# KiCad board AnalogFNN.kicad_pcb (continued)
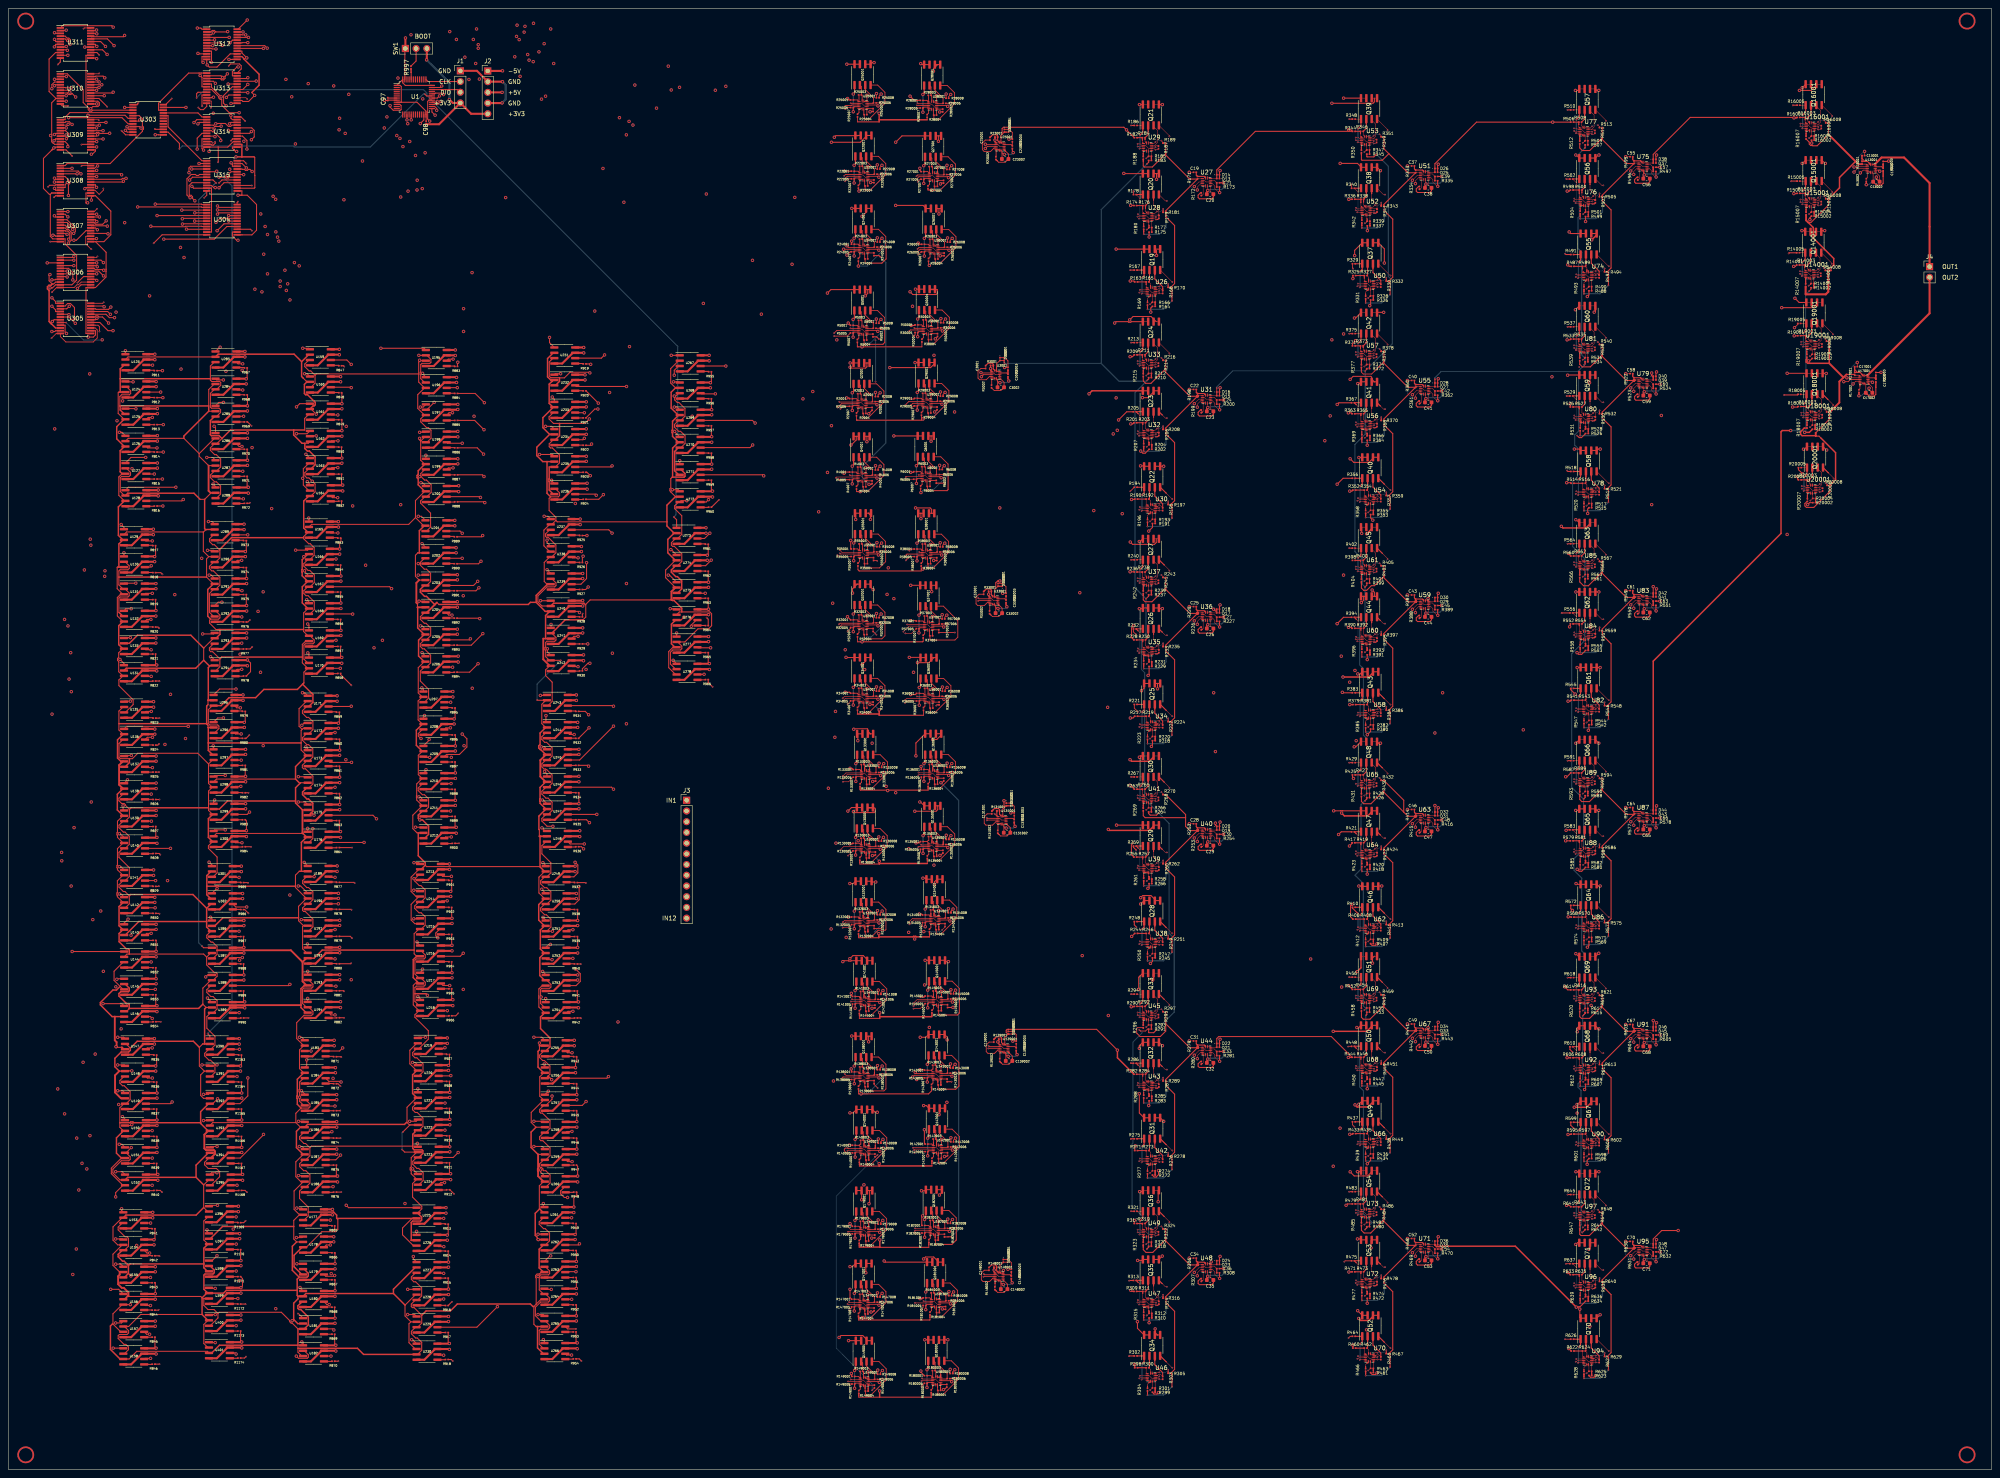
[diagram p0: board, top side]
## Routing (per net, layer and track width the routed paths; a pad name or vN(x,y) marks a point on that pad's centre or on a via; arc(x,y) is an arc through that point) (continued)
Net-(U81D--): length 4.2
  Top w0.1: 377.08,266.9 377.08,267.01 v2(376.7,267.39) ; v2(375.3,267.09) 374.9,266.69 U81.12 374.2,266.84 U81.13
  Top w0.25: 377.08,266.9 R540.1
  Bottom w0.1: v2(375.3,267.09) 375.6,267.39 v2(376.7,267.39)
Net-(U82A--): length 3.5
  Top w0.1: 373.31,181.04 373.08,181.27 373.08,182.37
  Top w0.25: R541.2 R543.1 ; U82.1 373.31,181.04
Net-(U82B--): length 3.2
  Top w0.1: R547.1 373.4,178.55 U82.6 373.95,179.4 U82.5
  Top w0.25: 373.4,178.07 R547.1
Net-(U82C--): length 3.6
  Top w0.1: 375.22,179.37 R544.1
  Top w0.25: 375.22,176.9 375.22,177.15 ; 375.22,176.9 R542.2 375.22,176.9 ; 375.22,177.15 R544.1 375.22,177.15 ; U82.8 375.25,179.3 375.22,179.27
Net-(U82D--): length 5.5
  Top w0.1: v2(376.2,181.35) 375.6,181.35 U82.12 ; v2(378.3,181.95) 378.3,181.17 ; 374.95,181 374.65,181 U82.13
  Top w0.25: 374.95,181 U82.12 ; R548.1 378.28,181.54 378.3,181.56
  Bottom w0.1: v2(378.3,181.95) 377.7,181.35 v2(376.2,181.35)
Net-(U83B-+): length 8.7
  Top w0.1: v1(385.2,204.25) 385.2,204.94 386.01,205.75 U83.4 ; C61.2 v1(383.3,208.45)
  Bottom w0.1: v1(385.2,204.25) 384.38,204.25 383.3,205.33 v1(383.3,208.45)
Net-(U83B--): length 3.9
  Top w0.1: 386.28,202.93 386.59,203.24 386.59,205.2 U83.5 387.04,205.35 U83.6
  Top w0.25: 386.51,205.28 U83.5 ; 386.43,203.08 386.29,203.08 R550.1
Net-(U83C--): length 8.5
  Top w0.1: C62.1 388.34,203.93 U83.8
  Top w0.25: 388.34,204.98 U83.8 ; R550.2 385.94,203.57 385.4,203.02 385.4,202.45 385.7,202.15 388.6,202.15 389.01,202.56 389.01,202.91
Net-(U83D-+): length 3.3
  Top w0.1: C63.2 389.22,206.55 U83.11
  Top w0.25: 389.82,205.03 R551.1 389.82,205.03 ; 389.82,205.03 389.82,205.45 ; 389.82,205.45 C63.2 389.82,205.45
Net-(U84A--): length 3.9
  Top w0.1: U84.1 372.28,198.92 R554.1
  Top w0.25: 372.28,200.11 R554.1 R552.2
Net-(U84B--): length 3.5
  Top w0.1: R558.1 372.5,197 ; U84.6 372.7,196.9 U84.5
  Top w0.25: 373,196.9 372.5,196.9 ; 372.5,196.28 R558.1
Net-(U84C--): length 3.6
  Top w0.1: R555.1 374.42,197.02
  Top w0.25: U84.8 374.42,197.02 ; 374.42,194.8 R555.1 374.42,194.8 ; 374.42,194.8 374.42,194.53 ; 374.42,194.52 R553.2 374.42,194.53
Net-(U84D--): length 5.1
  Top w0.1: v2(375.6,199.15) 375.1,198.65 374.77,198.65 ; 377.1,198.97 v2(377.1,199.75) ; U84.13 374.3,198.8 U84.12
  Top w0.25: R559.1 377.08,199.34 377.1,199.36 ; 374.77,198.65 U84.12
  Bottom w0.1: v2(375.6,199.15) 376.5,199.15 v2(377.1,199.75)
Net-(U85A--): length 3
  Top w0.1: R562.1 372.18,215.52 U85.1
  Top w0.25: R560.2 R562.1 372.18,216.46
Net-(U85B--): length 3
  Top w0.1: U85.5 373.05,213.65 U85.6
  Top w0.25: 372.4,212.88 372.4,213.6 372.42,213.62 372.45,213.63 U85.5 ; 372.4,212.88 R566.1 372.4,212.88
Net-(U85C--): length 2.9
  Top w0.1: R563.1 374.32,213.62
  Top w0.25: U85.8 374.32,213.62 ; 374.32,211.75 R563.1 374.32,211.75 ; 374.32,211.75 R561.2
Net-(U85D--): length 4.2
  Top w0.1: v2(375.3,215.65) 374.9,215.25 U85.12 374.2,215.4 U85.13 ; 377.08,215.46 377.08,215.57 v2(376.7,215.95)
  Top w0.25: 377.08,215.46 R567.1
  Bottom w0.1: v2(376.7,215.95) 375.6,215.95 v2(375.3,215.65)
Net-(U86A--): length 3.5
  Top w0.1: 373.31,129.6 373.08,129.83 373.08,130.93
  Top w0.25: U86.1 373.31,129.6 ; R568.2 R570.1
Net-(U86B--): length 3.2
  Top w0.1: R574.1 373.4,127.11 U86.6 373.95,127.96 U86.5
  Top w0.25: 373.4,126.63 R574.1
Net-(U86C--): length 3.4
  Top w0.1: R571.1 375.22,127.93
  Top w0.25: 375.22,127.83 375.25,127.86 U86.8 ; 375.22,125.71 R571.1 375.22,125.71 ; 375.22,125.71 R569.2
Net-(U86D--): length 5.5
  Top w0.1: U86.12 375.6,129.91 v2(376.2,129.91) ; v2(378.3,130.51) 378.3,129.73 ; U86.13 374.65,129.56 374.95,129.56
  Top w0.25: 378.3,130.12 378.28,130.1 R575.1 ; 374.95,129.56 U86.12
  Bottom w0.1: v2(376.2,129.91) 377.7,129.91 v2(378.3,130.51)
Net-(U87B-+): length 8.7
  Top w0.1: C64.2 v1(383.3,157.01) ; v1(385.2,152.81) 385.2,153.49 386.01,154.31 U87.4
  Bottom w0.1: v1(385.2,152.81) 384.38,152.81 383.3,153.89 v1(383.3,157.01)
Net-(U87B--): length 3.9
  Top w0.1: U87.6 387.04,153.91 U87.5 386.59,153.76 386.59,151.79 386.28,151.49
  Top w0.25: U87.5 386.51,153.83 ; 386.43,151.64 386.29,151.64 R577.1
Net-(U87C--): length 8.5
  Top w0.1: C65.1 388.34,152.48 U87.8
  Top w0.25: R577.2 385.94,152.13 385.4,151.58 385.4,151.01 385.7,150.71 388.6,150.71 389.01,151.12 389.01,151.46 ; 388.34,153.53 U87.8
Net-(U87D-+): length 3.3
  Top w0.1: U87.11 389.22,155.11 C66.2
  Top w0.25: 389.82,153.58 R578.1 389.82,153.58 ; 389.82,153.58 389.82,154.01 ; 389.82,154.01 C66.2 389.82,154.01
Net-(U88A--): length 3.9
  Top w0.1: U88.1 372.28,147.48 R581.1
  Top w0.25: 372.28,148.67 R581.1 R579.2
Net-(U88B--): length 3.5
  Top w0.1: U88.5 372.7,145.46 U88.6 ; 372.5,145.56 R585.1
  Top w0.25: 373,145.46 372.5,145.46 ; 372.5,144.84 R585.1
Net-(U88C--): length 3.3
  Top w0.1: R582.1 374.42,145.58
  Top w0.25: 374.42,143.36 R582.1 374.42,143.36 ; 374.42,143.36 374.42,142.83 ; U88.8 374.42,145.58
Net-(U88D--): length 5.1
  Top w0.1: U88.12 374.3,147.36 U88.13 ; 377.1,147.53 v2(377.1,148.31) ; 374.77,147.21 375.1,147.21 v2(375.6,147.71)
  Top w0.25: 377.1,147.92 377.08,147.9 R586.1 ; 374.77,147.21 U88.12
  Bottom w0.1: v2(377.1,148.31) 376.5,147.71 v2(375.6,147.71)
Net-(U89A--): length 3
  Top w0.1: U89.1 372.18,164.08 R589.1
  Top w0.25: 372.18,165.02 R589.1 R587.2
Net-(U89B--): length 3
  Top w0.1: U89.5 373.05,162.21 U89.6
  Top w0.25: 372.4,161.44 R593.1 372.4,161.44 ; 372.4,161.44 372.4,162.16 372.42,162.18 372.45,162.18
  Top w0.35: 372.45,162.18 U89.5
Net-(U89C--): length 2.9
  Top w0.1: R590.1 374.32,162.18
  Top w0.25: 374.32,160.31 R588.2 ; 374.32,160.31 R590.1 374.32,160.31 ; U89.8 374.32,162.18
Net-(U89D--): length 4.2
  Top w0.1: U89.13 374.2,163.96 U89.12 374.9,163.81 v2(375.3,164.21) ; v2(376.7,164.51) 377.08,164.13 377.08,164.02
  Top w0.25: 377.08,164.02 R594.1
  Bottom w0.1: v2(375.3,164.21) 375.6,164.51 v2(376.7,164.51)
Net-(U90A--): length 3.5
  Top w0.1: 373.31,78.15 373.08,78.38 373.08,79.49
  Top w0.25: R595.2 R597.1 ; U90.1 373.31,78.15
Net-(U90B--): length 3.2
  Top w0.1: R601.1 373.4,75.66 U90.6 373.95,76.51 U90.5
  Top w0.25: 373.4,75.18 R601.1
Net-(U90C--): length 2.8
  Top w0.1: R598.1 375.22,76.48
  Top w0.25: U90.8 375.25,76.42 375.22,76.39 ; R596.2 375.22,74.69
Net-(U90D--): length 5.5
  Top w0.1: 378.3,78.28 v2(378.3,79.06) ; U90.13 374.65,78.11 374.95,78.11 ; U90.12 375.6,78.46 v2(376.2,78.46)
  Top w0.25: 374.95,78.11 U90.12 ; 378.3,78.67 378.28,78.65 R602.1
  Bottom w0.1: v2(376.2,78.46) 377.7,78.46 v2(378.3,79.06)
Net-(U91B-+): length 8.7
  Top w0.1: U91.4 386.01,102.86 385.2,102.05 v1(385.2,101.36) ; C67.2 v1(383.3,105.56)
  Bottom w0.1: v1(383.3,105.56) 383.3,102.44 384.38,101.36 v1(385.2,101.36)
Net-(U91B--): length 3.9
  Top w0.1: 386.28,100.04 386.59,100.35 386.59,102.31 U91.5 387.04,102.46 U91.6
  Top w0.25: 386.43,100.2 386.29,100.2 R604.1 ; 386.51,102.39 U91.5
Net-(U91C--): length 8.5
  Top w0.1: C68.1 388.34,101.04 U91.8
  Top w0.25: R604.2 385.94,100.68 385.4,100.13 385.4,99.56 385.7,99.26 388.6,99.26 389.01,99.68 389.01,100.02 ; 388.34,102.09 U91.8
Net-(U91D-+): length 3.3
  Top w0.1: C69.2 389.22,103.66 U91.11
  Top w0.25: 389.82,102.14 389.82,102.56 ; 389.82,102.14 R605.1 389.82,102.14 ; 389.82,102.56 C69.2 389.82,102.56
Net-(U92A--): length 3.9
  Top w0.1: U92.1 372.28,96.03 R608.1
  Top w0.25: 372.28,97.23 R608.1 R606.2
Net-(U92B--): length 3.5
  Top w0.1: 372.5,94.11 R612.1 ; U92.5 372.7,94.01 U92.6
  Top w0.25: 373,94.01 372.5,94.01 ; 372.5,93.4 R612.1
Net-(U92C--): length 3.3
  Top w0.1: R609.1 374.42,94.13
  Top w0.25: 374.42,91.91 R609.1 374.42,91.91 ; 374.42,91.91 374.42,91.39 ; U92.8 374.42,94.13
Net-(U92D--): length 5.1
  Top w0.1: v2(377.1,96.86) 377.1,96.08 ; 374.77,95.76 375.1,95.76 v2(375.6,96.26) ; U92.13 374.3,95.91 U92.12
  Top w0.25: 377.1,96.47 377.08,96.45 R613.1 ; 374.77,95.76 U92.12
  Bottom w0.1: v2(377.1,96.86) 376.5,96.26 v2(375.6,96.26)
Net-(U93A--): length 3
  Top w0.1: U93.1 372.18,112.63 R616.1
  Top w0.25: 372.18,113.58 R616.1 R614.2
Net-(U93B--): length 3
  Top w0.1: U93.6 373.05,110.76 372.75,110.76
  Top w0.25: 372.75,110.76 U93.5 ; 372.45,110.74 372.42,110.74 372.4,110.71 372.4,110 ; 372.4,110 R620.1 372.4,110
  Top w0.35: U93.5 372.45,110.74
Net-(U93C--): length 2.9
  Top w0.1: R617.1 374.32,110.73
  Top w0.25: 374.32,108.86 R617.1 374.32,108.86 ; 374.32,108.86 R615.2 ; U93.8 374.32,110.73
Net-(U93D--): length 4.2
  Top w0.1: v2(376.7,113.06) 377.08,112.68 377.08,112.57 ; U93.13 374.2,112.51 U93.12 374.9,112.36 v2(375.3,112.76)
  Top w0.25: 377.08,112.57 R621.1
  Bottom w0.1: v2(376.7,113.06) 375.6,113.06 v2(375.3,112.76)
Net-(U94A--): length 3.5
  Top w0.1: 373.31,26.71 373.08,26.94 373.08,28.04
  Top w0.25: R622.2 R624.1 ; U94.1 373.31,26.71
Net-(U94B--): length 3.2
  Top w0.1: R628.1 373.4,24.22 U94.6 373.95,25.07 U94.5
  Top w0.25: 373.4,23.74 R628.1
Net-(U94C--): length 3.6
  Top w0.1: R625.1 375.22,25.04
  Top w0.25: 375.22,22.57 R623.2 375.22,22.57 ; 375.22,22.57 375.22,22.82 ; 375.22,22.82 R625.1 375.22,22.82 ; U94.8 375.25,24.97 375.22,24.94
Net-(U94D--): length 5.5
  Top w0.1: 374.95,26.67 374.65,26.67 U94.13 ; v2(378.3,27.62) 378.3,26.84 ; U94.12 375.6,27.02 v2(376.2,27.02)
  Top w0.25: 378.3,27.23 378.28,27.21 R629.1 ; 374.95,26.67 U94.12
  Bottom w0.1: v2(376.2,27.02) 377.7,27.02 v2(378.3,27.62)
Net-(U95B-+): length 8.7
  Top w0.1: C70.2 v1(383.3,54.12) ; v1(385.2,49.92) 385.2,50.6 386.01,51.42 U95.4
  Bottom w0.1: v1(383.3,54.12) 383.3,51 384.38,49.92 v1(385.2,49.92)
Net-(U95B--): length 3.9
  Top w0.1: 386.28,48.6 386.59,48.91 386.59,50.87 U95.5 387.04,51.02 U95.6
  Top w0.25: R631.1 386.29,48.75 386.43,48.75 ; 386.51,50.94 U95.5
Net-(U95C--): length 8.5
  Top w0.1: U95.8 388.34,49.59 C71.1
  Top w0.25: 389.01,48.57 389.01,48.23 388.6,47.82 385.7,47.82 385.4,48.12 385.4,48.69 385.94,49.24 R631.2 ; 388.34,50.64 U95.8
Net-(U95D-+): length 3.5
  Top w0.1: U95.11 389.22,52.22 C72.2
  Top w0.25: 389.82,50.87 R632.1 389.82,50.87 ; 389.82,50.87 389.82,51.12 ; 389.82,51.12 C72.2 389.82,51.12
Net-(U96A--): length 3.9
  Top w0.1: R635.1 372.28,44.59 U96.1
  Top w0.25: R633.2 R635.1 372.28,45.78
Net-(U96B--): length 3.5
  Top w0.1: U96.5 372.7,42.57 U96.6 ; 372.5,42.67 R639.1
  Top w0.25: 373,42.57 372.5,42.57 ; 372.5,41.95 R639.1
Net-(U96C--): length 3.6
  Top w0.1: R636.1 374.42,42.69
  Top w0.25: 374.42,40.19 374.42,40.47 ; 374.42,40.19 R634.2 374.42,40.19 ; 374.42,40.47 R636.1 374.42,40.47 ; U96.8 374.42,42.69
Net-(U96D--): length 5.1
  Top w0.1: v2(375.6,44.82) 375.1,44.32 374.77,44.32 ; U96.12 374.3,44.47 U96.13 ; 377.1,44.64 v2(377.1,45.42)
  Top w0.25: 374.77,44.32 U96.12 ; R640.1 377.08,45.01 377.1,45.03
  Bottom w0.1: v2(377.1,45.42) 376.5,44.82 v2(375.6,44.82)
Net-(U97A--): length 3
  Top w0.1: R643.1 372.18,61.19 U97.1
  Top w0.25: 372.18,62.13 R643.1 R641.2
Net-(U97B--): length 3
  Top w0.1: U97.5 373.05,59.32 U97.6
  Top w0.25: 372.4,58.55 R647.1 372.4,58.55 ; 372.4,58.55 372.4,59.27 372.42,59.29 372.45,59.29
  Top w0.35: U97.5 372.45,59.29
Net-(U97C--): length 2.9
  Top w0.1: R644.1 374.32,59.29
  Top w0.25: 374.32,57.42 R644.1 374.32,57.42 ; 374.32,57.42 R642.2 ; U97.8 374.32,59.29
Net-(U97D--): length 4.2
  Top w0.1: U97.13 374.2,61.07 U97.12 374.9,60.92 v2(375.3,61.32) ; v2(376.7,61.62) 377.08,61.24 377.08,61.13
  Top w0.25: 377.08,61.13 R648.1
  Bottom w0.1: v2(376.7,61.62) 375.6,61.62 v2(375.3,61.32)
Net-(U123-PA0): length 1.9
  Top w0.25: U123.5 34.48,260.69 R811.2
Net-(U124-PA0): length 1.9
  Top w0.25: U124.5 34.53,254.25
Net-(U125-PA0): length 1.9
  Top w0.25: U125.5 34.58,247.8
Net-(U126-PA0): length 1.9
  Top w0.25: U126.5 34.53,241.34
Net-(U127-PA0): length 1.9
  Top w0.25: U127.5 34.58,234.89
Net-(U128-PA0): length 1.9
  Top w0.25: U128.5 34.52,228.44
Net-(U129-PA0): length 1.9
  Top w0.25: U129.5 34.13,219.19 R817.2
Net-(U130-PA0): length 1.9
  Top w0.25: U130.5 34.19,212.75
Net-(U131-PA0): length 1.9
  Top w0.25: U131.5 34.23,206.29
Net-(U132-PA0): length 1.9
  Top w0.25: U132.5 34.19,199.84
Net-(U133-PA0): length 1.9
  Top w0.25: U133.5 34.23,193.4
Net-(U134-PA0): length 1.8
  Top w0.25: U134.5 34.17,186.94
Net-(U135-PA0): length 1.9
  Top w0.25: U135.5 34.19,178.29 R823.2
Net-(U136-PA0): length 1.9
  Top w0.25: U136.5 34.23,171.84
Net-(U137-PA0): length 1.9
  Top w0.25: U137.5 34.27,165.4
Net-(U138-PA0): length 1.9
  Top w0.25: U138.5 34.23,158.94
Net-(U139-PA0): length 1.9
  Top w0.25: U139.5 34.27,152.5
Net-(U140-PA0): length 1.9
  Top w0.25: U140.5 34.23,146.04
Net-(U141-PA0): length 1.9
  Top w0.25: U141.5 34.19,138.4 R829.2
Net-(U142-PA0): length 1.9
  Top w0.25: U142.5 34.23,131.94
Net-(U143-PA0): length 1.9
  Top w0.25: U143.5 34.27,125.5
Net-(U144-PA0): length 1.9
  Top w0.25: U144.5 34.23,119.04
Net-(U145-PA0): length 1.9
  Top w0.25: U145.5 34.27,112.59
Net-(U146-PA0): length 1.9
  Top w0.25: U146.5 34.23,106.15
Net-(U147-PA0): length 1.9
  Top w0.25: R835.2 34.38,98.39 32.58,98.39
Net-(U148-PA0): length 1.9
  Top w0.25: 32.58,91.94 34.44,91.94
Net-(U149-PA0): length 1.9
  Top w0.25: U149.5 34.48,85.5
Net-(U150-PA0): length 1.9
  Top w0.25: U150.5 34.44,79.05
Net-(U151-PA0): length 1.9
  Top w0.25: U151.5 34.48,72.6
Net-(U152-PA0): length 1.8
  Top w0.25: 32.58,66.14 34.42,66.14
Net-(U153-PA0): length 1.9
  Top w0.25: R841.2 33.98,57.19 U153.5
Net-(U154-PA0): length 1.9
  Top w0.25: U154.5 34.03,50.75
Net-(U155-PA0): length 1.9
  Top w0.25: U155.5 34.08,44.3
Net-(U156-PA0): length 1.9
  Top w0.25: U156.5 34.03,37.85
Net-(U157-PA0): length 1.9
  Top w0.25: U157.5 34.08,31.39
Net-(U158-PA0): length 1.9
  Top w0.25: 32.17,24.94 34.02,24.94
Net-(U159-PA0): length 1.9
  Top w0.25: U159.5 78.21,261.86 R847.2
Net-(U160-PA0): length 1.9
  Top w0.25: U160.5 78.26,255.41
Net-(U161-PA0): length 1.9
  Top w0.25: U161.5 78.3,248.96
Net-(U162-PA0): length 1.9
  Top w0.25: U162.5 78.26,242.51
Net-(U163-PA0): length 1.9
  Top w0.25: U163.5 78.3,236.06
Net-(U164-PA0): length 1.8
  Top w0.25: U164.5 78.25,229.61
Net-(U165-PA0): length 1.9
  Top w0.25: U165.5 77.98,221 R853.2
Net-(U166-PA0): length 1.9
  Top w0.25: U166.5 78.03,214.54
Net-(U167-PA0): length 1.9
  Top w0.25: U167.5 78.08,208.09
Net-(U168-PA0): length 1.9
  Top w0.25: U168.5 78.03,201.65
Net-(U169-PA0): length 1.9
  Top w0.25: U169.5 78.08,195.19
Net-(U170-PA0): length 1.9
  Top w0.25: U170.5 78.03,188.75
Net-(U171-PA0): length 1.9
  Top w0.25: U171.5 77.69,179.69 R859.2
Net-(U172-PA0): length 1.9
  Top w0.25: U172.5 77.73,173.25
Net-(U173-PA0): length 1.9
  Top w0.25: U173.5 77.78,166.79
Net-(U174-PA0): length 1.9
  Top w0.25: U174.5 77.73,160.34
Net-(U175-PA0): length 1.9
  Top w0.25: U175.5 77.78,153.9
Net-(U176-PA0): length 1.8
  Top w0.25: U176.5 77.72,147.44
Net-(U177-PA0): length 1.9
  Top w0.25: 74.78,57.89 76.58,57.89 R865.2
Net-(U178-PA0): length 1.9
  Top w0.25: 74.78,51.44 76.64,51.44
Net-(U179-PA0): length 1.9
  Top w0.25: 74.78,45 76.67,45
Net-(U180-PA0): length 1.9
  Top w0.25: 74.78,38.55 76.64,38.55
Net-(U181-PA0): length 1.9
  Top w0.25: 74.78,32.1 76.67,32.1
Net-(U182-PA0): length 1.8
  Top w0.25: 74.78,25.64 76.62,25.64
Net-(U183-PA0): length 1.9
  Top w0.25: U183.5 76.98,98 R871.2
Net-(U184-PA0): length 1.9
  Top w0.25: U184.5 77.03,91.55
Net-(U185-PA0): length 1.9
  Top w0.25: U185.5 77.08,85.1
Net-(U186-PA0): length 1.9
  Top w0.25: 75.17,78.64 77.03,78.64
Net-(U187-PA0): length 1.9
  Top w0.25: U187.5 77.08,72.19
Net-(U188-PA0): length 1.9
  Top w0.25: U188.5 77.03,65.75
Net-(U189-PA0): length 1.9
  Top w0.25: U189.5 77.69,139.34 R877.2
Net-(U190-PA0): length 1.9
  Top w0.25: U190.5 77.73,132.9
Net-(U191-PA0): length 1.9
  Top w0.25: U191.5 77.78,126.44
Net-(U192-PA0): length 1.9
  Top w0.25: U192.5 77.73,120
Net-(U193-PA0): length 1.9
  Top w0.25: U193.5 77.78,113.54
Net-(U194-PA0): length 1.8
  Top w0.25: U194.5 77.72,107.09
Net-(U195-PA0): length 1.9
  Top w0.25: U195.5 105.69,261.69 R883.2
Net-(U196-PA0): length 1.9
  Top w0.25: U196.5 105.73,255.25
Net-(U197-PA0): length 1.9
  Top w0.25: U197.5 105.78,248.8
Net-(U198-PA0): length 1.9
  Top w0.25: U198.5 105.73,242.34
Net-(U199-PA0): length 1.9
  Top w0.25: U199.5 105.78,235.89
Net-(U200-PA0): length 1.8
  Top w0.25: U200.5 105.72,229.44
Net-(U201-PA0): length 1.9
  Top w0.25: R889.2 105.58,221.29 103.78,221.29
Net-(U202-PA0): length 1.9
  Top w0.25: 103.78,214.84 105.64,214.84
Net-(U203-PA0): length 1.9
  Top w0.25: 103.78,208.4 105.67,208.4
Net-(U204-PA0): length 1.9
  Top w0.25: 103.78,201.94 105.64,201.94
Net-(U205-PA0): length 1.9
  Top w0.25: 103.78,195.5 105.67,195.5
Net-(U206-PA0): length 1.8
  Top w0.25: 103.78,189.04 105.62,189.04
Net-(U207-PA0): length 1.9
  Top w0.25: U207.5 105.11,180.7 105.2,180.6
Net-(U208-PA0): length 1.9
  Top w0.25: U208.5 105.16,174.25
Net-(U209-PA0): length 1.9
  Top w0.25: U209.5 105.2,167.8
Net-(U210-PA0): length 1.9
  Top w0.25: U210.5 105.16,161.35
Net-(U211-PA0): length 1.9
  Top w0.25: U211.5 105.2,154.9
Net-(U212-PA0): length 1.9
  Top w0.25: U212.5 105.15,148.45
Net-(U213-PA0): length 1.9
  Top w0.25: U213.5 104.31,139.81 R901.2
Net-(U214-PA0): length 1.9
  Top w0.25: U214.5 104.36,133.36
Net-(U215-PA0): length 1.9
  Top w0.25: U215.5 104.4,126.91
Net-(U216-PA0): length 1.9
  Top w0.25: U216.5 104.36,120.46
Net-(U217-PA0): length 1.9
  Top w0.25: U217.5 104.4,114.01
Net-(U218-PA0): length 1.8
  Top w0.25: U218.5 104.35,107.56
Net-(U219-PA0): length 1.9
  Top w0.25: R907.2 103.78,98.55 U219.5
Net-(U220-PA0): length 1.9
  Top w0.25: U220.5 103.83,92.1
Net-(U221-PA0): length 1.9
  Top w0.25: 101.97,85.64 103.88,85.64
Net-(U222-PA0): length 1.9
  Top w0.25: U222.5 103.83,79.19
Net-(U223-PA0): length 1.9
  Top w0.25: U223.5 103.88,72.75
Net-(U224-PA0): length 1.9
  Top w0.25: U224.5 103.83,66.3
Net-(U225-PA0): length 1.9
  Top w0.25: R913.2 103.48,58.3 U225.5
Net-(U226-PA0): length 1.9
  Top w0.25: U226.5 103.53,51.85
Net-(U227-PA0): length 1.9
  Top w0.25: U227.5 103.58,45.39
Net-(U228-PA0): length 1.9
  Top w0.25: 101.67,38.94 103.53,38.94
Net-(U229-PA0): length 1.9
  Top w0.25: U229.5 103.58,32.5
Net-(U230-PA0): length 1.9
  Top w0.25: U230.5 103.53,26.05
Net-(U231-PA0): length 1.9
  Top w0.25: U231.5 136.13,262.3 R919.2
Net-(U232-PA0): length 1.9
  Top w0.25: U232.5 136.19,255.84
Net-(U233-PA0): length 1.9
  Top w0.25: U233.5 136.22,249.39
Net-(U234-PA0): length 1.9
  Top w0.25: U234.5 136.19,242.94
Net-(U235-PA0): length 1.9
  Top w0.25: U235.5 136.22,236.5
Net-(U236-PA0): length 1.9
  Top w0.25: 134.32,230.04 136.18,230.04
Net-(U237-PA0): length 1.9
  Top w0.25: R925.2 135.28,221.59 U237.5
Net-(U238-PA0): length 1.9
  Top w0.25: U238.5 135.34,215.15
Net-(U239-PA0): length 1.9
  Top w0.25: U239.5 135.38,208.69
Net-(U240-PA0): length 1.9
  Top w0.25: U240.5 135.34,202.25
Net-(U241-PA0): length 1.9
  Top w0.25: U241.5 135.38,195.79
Net-(U242-PA0): length 1.8
  Top w0.25: U242.5 135.32,189.34
Net-(U243-PA0): length 1.9
  Top w0.25: U243.5 134.38,179.9 R931.2
Net-(U244-PA0): length 1.9
  Top w0.25: U244.5 134.44,173.44
Net-(U245-PA0): length 1.9
  Top w0.25: U245.5 134.47,167
Net-(U246-PA0): length 1.9
  Top w0.25: U246.5 134.44,160.54
Net-(U247-PA0): length 1.9
  Top w0.25: U247.5 134.47,154.09
Net-(U248-PA0): length 1.9
  Top w0.25: U248.5 134.43,147.65
Net-(U249-PA0): length 1.9
  Top w0.25: R937.2 134.09,139.29 U249.5
Net-(U250-PA0): length 1.9
  Top w0.25: U250.5 134.13,132.84
Net-(U251-PA0): length 1.9
  Top w0.25: U251.5 134.18,126.4
Net-(U252-PA0): length 1.9
  Top w0.25: U252.5 134.13,119.94
Net-(U253-PA0): length 1.9
  Top w0.25: U253.5 134.18,113.5
Net-(U254-PA0): length 1.8
  Top w0.25: U254.5 134.12,107.04
Net-(U255-PA0): length 1.9
  Top w0.25: U255.5 133.88,98 R943.2
Net-(U256-PA0): length 1.9
  Top w0.25: U256.5 133.94,91.55
Net-(U257-PA0): length 1.9
  Top w0.25: U257.5 133.97,85.1
Net-(U258-PA0): length 1.9
  Top w0.25: 132.07,78.64 133.94,78.64
Net-(U259-PA0): length 1.9
  Top w0.25: U259.5 133.97,72.19
Net-(U260-PA0): length 1.9
  Top w0.25: U260.5 133.93,65.75
Net-(U261-PA0): length 1.9
  Top w0.25: R949.2 133.78,58.44 131.97,58.44
Net-(U262-PA0): length 1.9
  Top w0.25: U262.5 133.84,52
Net-(U263-PA0): length 1.9
  Top w0.25: U263.5 133.88,45.55
Net-(U264-PA0): length 1.9
  Top w0.25: U264.5 133.84,39.1
Net-(U265-PA0): length 1.9
  Top w0.25: 131.97,32.64 133.88,32.64
Net-(U266-PA0): length 1.8
  Top w0.25: U266.5 133.82,26.19
Net-(U267-PA0): length 1.9
  Top w0.25: R955.2 165.86,260.43 U267.5
Net-(U268-PA0): length 1.9
  Top w0.25: U268.5 165.91,253.98
Net-(U269-PA0): length 1.9
  Top w0.25: U269.5 165.95,247.53
Net-(U270-PA0): length 1.9
  Top w0.25: U270.5 165.91,241.08
Net-(U271-PA0): length 1.9
  Top w0.25: U271.5 165.95,234.63
Net-(U272-PA0): length 1.8
  Top w0.25: U272.5 165.9,228.18
Net-(U273-PA0): length 1.9
  Top w0.25: U273.5 165.11,219.53 R961.2
Net-(U274-PA0): length 1.9
  Top w0.25: U274.5 165.16,213.08
Net-(U275-PA0): length 1.9
  Top w0.25: U275.5 165.2,206.63
Net-(U276-PA0): length 1.9
  Top w0.25: U276.5 165.16,200.18
Net-(U277-PA0): length 1.9
  Top w0.25: U277.5 165.2,193.73
Net-(U278-PA0): length 1.8
  Top w0.25: U278.5 165.15,187.28
Net-(U283-PA0): length 1.9
  Top w0.25: R967.2 55.83,261.35 U283.5
Net-(U284-PA0): length 1.9
  Top w0.25: U284.5 55.89,254.89
Net-(U285-PA0): length 1.9
  Top w0.25: U285.5 55.92,248.44
Net-(U286-PA0): length 1.9
  Top w0.25: U286.5 55.89,242
Net-(U287-PA0): length 1.9
  Top w0.25: U287.5 55.92,235.55
Net-(U288-PA0): length 1.8
  Top w0.25: U288.5 55.88,229.09
Net-(U289-PA0): length 1.9
  Top w0.25: R973.2 55.64,220.4 U289.5
Net-(U290-PA0): length 1.9
  Top w0.25: U290.5 55.69,213.94
Net-(U291-PA0): length 1.9
  Top w0.25: U291.5 55.72,207.5
Net-(U292-PA0): length 1.9
  Top w0.25: U292.5 55.69,201.04
Net-(U293-PA0): length 1.9
  Top w0.25: U293.5 55.72,194.59
Net-(U294-PA0): length 1.8
  Top w0.25: U294.5 55.67,188.15
Net-(U295-PA0): length 1.9
  Top w0.25: R979.2 55.39,179.9 U295.5
Net-(U296-PA0): length 1.9
  Top w0.25: U296.5 55.44,173.44
Net-(U297-PA0): length 1.9
  Top w0.25: U297.5 55.47,167
Net-(U298-PA0): length 1.9
  Top w0.25: U298.5 55.44,160.54
Net-(U299-PA0): length 1.9
  Top w0.25: U299.5 55.47,154.09
Net-(U300-PA0): length 1.8
  Top w0.25: U300.5 55.42,147.65
Net-(U301-PA0): length 1.9
  Top w0.25: R985.2 54.98,139.29 U301.5
Net-(U302-PA0): length 1.9
  Top w0.25: U302.5 55.03,132.84
Net-(U386-PA0): length 1.9
  Top w0.25: U386.5 55.08,126.4
Net-(U387-PA0): length 1.9
  Top w0.25: U387.5 55.03,119.94
Net-(U388-PA0): length 1.9
  Top w0.25: U388.5 55.08,113.5
Net-(U389-PA0): length 1.9
  Top w0.25: U389.5 55.03,107.04
Net-(U390-PA0): length 1.9
  Top w0.25: 52.67,98.39 54.48,98.39 R1163.2
Net-(U391-PA0): length 1.9
  Top w0.25: 52.67,91.94 54.53,91.94
Net-(U392-PA0): length 1.9
  Top w0.25: U392.5 54.58,85.5
Net-(U393-PA0): length 1.9
  Top w0.25: U393.5 54.53,79.05
Net-(U394-PA0): length 1.9
  Top w0.25: U394.5 54.58,72.6
Net-(U395-PA0): length 1.9
  Top w0.25: 52.67,66.14 54.53,66.14
Net-(U396-PA0): length 1.9
  Top w0.25: R1169.2 54.28,58.64 52.47,58.64
Net-(U397-PA0): length 1.9
  Top w0.25: U397.5 54.33,52.19
Net-(U398-PA0): length 1.9
  Top w0.25: U398.5 54.38,45.75
Net-(U399-PA0): length 1.9
  Top w0.25: U399.5 54.33,39.3
Net-(U400-PA0): length 1.9
  Top w0.25: U400.5 54.38,32.85
Net-(U401-PA0): length 1.9
  Top w0.25: U401.5 54.33,26.39
Net-(U2001A--): length 3
  Top w0.2: R2001.2 200.94,253.95 U2001.1 201.34,255.08
Net-(U2001B--): length 2.3
  Top w0.2: U2001.6 201.94,251.95 U2001.5 201.34,250.92 R2007.1
Net-(U2001C--): length 3
  Top w0.2: R2004.1 203.21,251.92 U2001.8 203.32,251.87 R2002.2
Net-(U2001D--): length 5.8
  Top w0.2: v1(205.49,255.45) 205.49,254.47 ; U2001.13 202.64,253.55 U2001.12 203.24,255 v1(203.19,255.05)
  Bottom w0.2: v1(203.19,255.05) 205.09,255.05 v1(205.49,255.45)
Net-(U3001B-+): length 7.4
  Top w0.2: 233.04,259.25 232.54,259.25 231.74,258.45 230.19,258.45 229.79,258.85 229.79,260.44 230.48,261.13 C3001.2
  Top w0.25: 233.04,259.25 U3001.4
Net-(U3001B--): length 2.5
  Top w0.2: U3001.6 233.64,258.85 U3001.5 ; 233.04,258.85 233.04,257.22
  Top w0.25: 233.71,258.77 U3001.6
Net-(U3001C--): length 6.7
  Top w0.2: U3001.8 235.96,257.82 C3002.1 235.19,255.88 233.64,255.88 R3002.2
  Top w0.25: 235.57,256.26 C3002.1
Net-(U3001D-+): length 3.7
  Top w0.2: R3003.1 C3003.2 236.61,260.05 U3001.11
  Top w0.25: 236.89,260.25 C3003.2 ; 236.89,260.49 R3003.1
Net-(U4001A--): length 3
  Top w0.2: R4001.2 200.94,236.55 U4001.1 201.34,237.68
Net-(U4001B--): length 2.3
  Top w0.2: R4007.1 201.34,233.52 U4001.5 201.94,234.55 U4001.6
Net-(U4001C--): length 3
  Top w0.2: R4004.1 203.21,234.52 U4001.8 203.32,234.47 R4002.2
Net-(U4001D--): length 5.8
  Top w0.2: U4001.13 202.64,236.15 U4001.12 203.24,237.6 v1(203.19,237.65) ; v1(205.49,238.05) 205.49,237.07
  Bottom w0.2: v1(205.49,238.05) 205.09,237.65 v1(203.19,237.65)
Net-(U5001A--): length 3
  Top w0.2: R5001.2 201.14,271.35 U5001.1 201.54,272.48
Net-(U5001B--): length 2.3
  Top w0.2: R5007.1 201.54,268.32 U5001.5 202.14,269.35 U5001.6
Net-(U5001C--): length 3
  Top w0.2: R5002.2 203.52,269.27 U5001.8 203.41,269.32 R5004.1
